# Altium PCB pay-ssm-v4.PcbDoc (part 1 of 2) (continued)
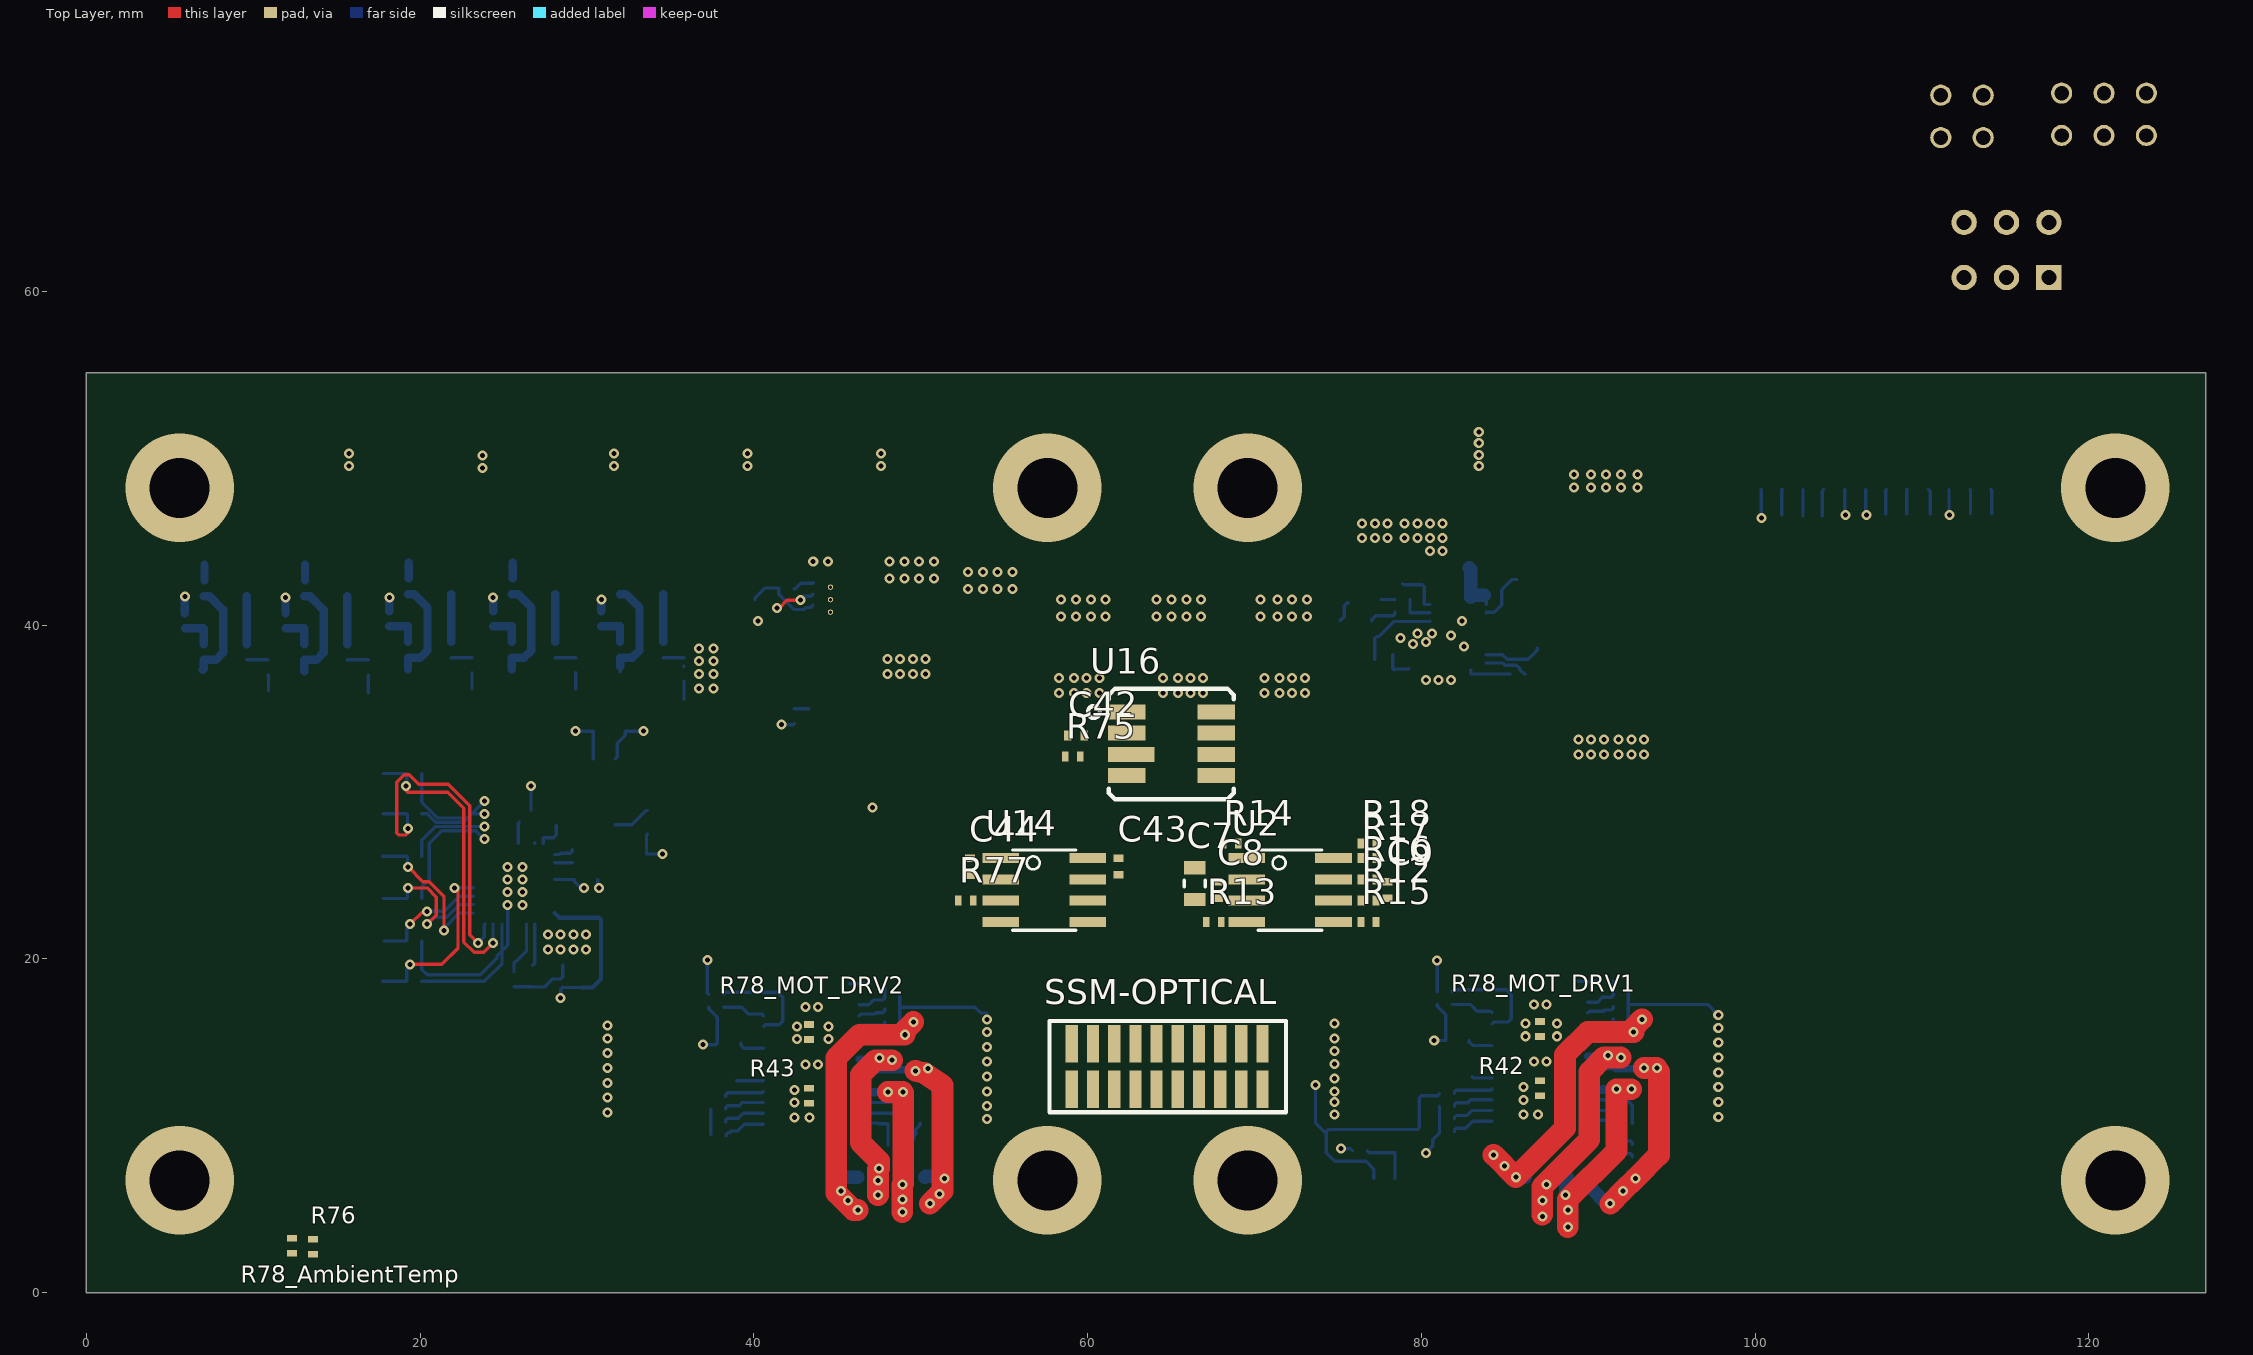
[diagram p0: Top Layer view]
## Components (designator, comment, footprint, x,y, rotation, side; value= is the part's Value field where it differs from the comment)
ADC2 "ADS7952" QFN50P500X500X100-33 25.63,24.507 r90 bottom (schematic designator U5)
BATT2BST "0603" RES0603R 94.996,37.465 r0 bottom value="0 26A" (schematic designator R86)
BATT2HEAT "0603" RES0603R 85.725,53.34 r180 bottom value="0 26A" (schematic designator R7)
BATT2MOT "0603" RES0603R 88.138,49.657 r270 bottom value="0 26A" (schematic designator R3)
BOOST-10V "TPS61088" QFN50P450X350X100-21N 82.203,39.485 r180 bottom (schematic designator BT1)
BOT_SW1 "DF13A-2P-1.25H(21)" DF13A-2P-1.25H(21) 77.778,6.856 r0 bottom (schematic designator J9)
Buck-6V "TPS82140" TPS82140-8microSiP 44.591,41.529 r180 bottom (schematic designator U6)
C1 "0805" CAP0805R 58.928,27.432 r90 bottom value=10uF
C2 "0402" CAP0402R 60.198,27.432 r90 bottom value=0.1uF
C3 "0402" CAP0402R 72.525,25.273 r0 bottom value=0.1uF
C4 "0402" CAP0402R 72.517,26.162 r0 bottom value=0.1uF
C5 "0402" CAP0402R 57.912,19.677 r270 bottom value=22pF
C6 "0402" CAP0402R 65.786,19.431 r90 bottom value=22pF
C7 "0805" CAP0805R 66.421,24.511 r270 top value=10uF
C8 "0402" CAP0402R 67.818,24.13 r270 top value=0.1uF
C9 "0402" CAP0402R 77.978,24.122 r90 top value=47pF
C10 "0402" CAP0402R 29.694,18.792 r270 bottom value=0.1uF
C10_ADC1 "0402" CAP0402R 99.449,28.829 r0 bottom value=0.1uF (schematic designator C10)
C11 "0402" CAP0402R 25.63,20.308 r270 bottom value=220pF
C11_ADC1 "0402" CAP0402R 99.441,33.655 r180 bottom value=220pF (schematic designator C11)
C12 "0805" CAP0805R 31.345,33.651 r180 bottom value=10uF
C12 "0805" CAP0805R 102.489,34.544 r180 bottom value=10uF
C13 "0603" CAP0603R 33.631,28.19 r90 bottom value=1uF
C13_ADC1 "0603" CAP0603R 101.346,27.178 r90 bottom value=1uF (schematic designator C13)
C14 "0805" CAP0805R 32.615,26.285 r180 bottom value="10uF 1-1.5 ESR"
C14_ADC1 "0805" CAP0805R 103.251,27.432 r0 bottom value="10uF 1-1.5 ESR" (schematic designator C14)
C15 "0603" CAP0603R 25.146,28.194 r0 bottom value=1uF
C15_ADS79521 "0603" CAP0603R 104.521,24.638 r270 bottom value=1uF (schematic designator C15)
C16 "0603" CAP0603R 25.146,29.21 r0 bottom value=1uF
C16_ADS79521 "0603" CAP0603R 105.664,24.638 r270 bottom value=1uF (schematic designator C16)
C17 "0603" CAP0603R 29.948,24.761 r180 bottom value=1uF
C17_ADS79521 "0603" CAP0603R 101.092,18.161 r180 bottom value=1uF (schematic designator C17)
C18 "0805" CAP0805R 29.567,22.287 r90 bottom value=10uF
C18_ADS79521 "0805" CAP0805R 105.41,22.733 r0 bottom value=10uF (schematic designator C18)
C19 "0603" CAP0603R 86.245,38.608 r180 bottom value="0.1uF 50V X7R"
C20 "0402" CAP0402R 86.233,36.576 r90 bottom value="0.1uF 10V X7R"
C21 "2220" CAP2220 65.786,40.513 r90 bottom value="22uF 25V X7R"
C22 "1206" CAP1206R 92.456,35.965 r90 bottom value="10uF 50V X5R"
C23 "1206" CAP1206R 90.17,35.965 r90 bottom value="10uF 50V X5R"
C24 "2220" CAP2220 71.882,40.513 r90 bottom value="22uF 25V X7R"
C25 "0603" CAP0603R 82.169,43.434 r0 bottom value="1uF 16V X7R"
C26 "0402" CAP0402R 75.692,41.91 r270 bottom value="820pF 50V X7R"
C27 "0402" CAP0402R 85.344,36.576 r90 bottom value="8.2nF 16V X7R"
C28 "2220" CAP2220 59.817,40.513 r90 bottom value="22uF 25V X7R"
C29 "0402" CAP0402R 77.597,41.91 r270 bottom value="39pF 25V C0G"
C30 "0402" CAP0402R 78.359,36.838 r90 bottom value="0.1uF 10V X7R"
C31 "1206" CAP1206R 44.069,38.735 r180 bottom value="22uF 10V X7S"
C32 "1206" CAP1206R 44.069,36.703 r180 bottom value="22uF 10V X7S"
C33 "1206" CAP1206R 50.292,40.894 r90 bottom value="10uF 35V X7R"
C34 "1206" CAP1206R 48.133,40.894 r90 bottom value="10uF 35V X7R"
C35 "0402" CAP0402R 42.418,42.672 r270 bottom value="220pF 50V X7R"
C36 "0402" CAP0402R 82.55,12.954 r180 bottom value="10000pF 25V"
C36 "0402" CAP0402R 38.481,12.7 r180 bottom value="10000pF 25V"
C37 "1206" CAP1206R 77.454,11.426 r0 bottom value="10uF 25V"
C37 "1206" CAP1206R 33.796,11.262 r0 bottom value="10uF 25V"
C38 "1206" CAP1206R 77.454,13.331 r0 bottom value="10uF 25V"
C38 "1206" CAP1206R 33.796,13.167 r0 bottom value="10uF 25V"
C39 "1206" CAP1206R 77.454,15.236 r0 bottom value="10uF 25V"
C39 "1206" CAP1206R 33.796,15.072 r0 bottom value="10uF 25V"
C40 "0603" CAP0603R 82.169,15.113 r180 bottom value="2.2uF 6.3V X7R"
C40 "0603" CAP0603R 38.511,14.949 r180 bottom value="2.2uF 6.3V X7R"
C41_Port_Expander1 "0402" CAP0402R 51.427,21.101 r0 bottom value=0.1uF (schematic designator C41)
C41_Port_Expander2 "0402" CAP0402R 43.696,29.083 r180 bottom value=0.1uF (schematic designator C41)
C42 "0402" CAP0402R 59.309,33.401 r0 top value="0.1uF 6.3V X7R"
C43 "0402" CAP0402R 61.849,25.535 r90 top value="0.22uF 6.3V X7R"
C44 "0402" CAP0402R 52.959,25.527 r270 top value="0.1uF 6.3V X7R"
C45 "0402" CAP0402R 91.44,46.474 r270 bottom value=0.1uF
C45 "0402" CAP0402R 40.005,34.29 r270 bottom value=0.1uF
C46 "0402" CAP0402R 68.961,15.875 r0 bottom value=0.1uF
D2 "LED0603" LED0603 57.461,14.605 r0 bottom
D3 "LED0603" LED0603 57.461,13.208 r0 bottom
D4 "LED0603" LED0603 57.461,11.684 r0 bottom
D5 "LED0603" LED0603 71.952,11.684 r180 bottom
D6 "LED0603" LED0603 71.952,13.335 r180 bottom
D7 "LED0603" LED0603 71.952,14.732 r180 bottom
EPS-PAY "DF13A-15P-1.25H(21)" DF13A-15P-1.25H(21) 105.37,48.133 r180 bottom (schematic designator J1)
HEATER1 "DF13A-2P-1.25H(21)" DF13A-2P-1.25H(21) 15.059,48.135 r180 bottom (schematic designator J11)
HEATER2 "DF13A-2P-1.25H(21)" DF13A-2P-1.25H(21) 23.06,48.135 r180 bottom (schematic designator J11)
HEATER3 "DF13A-2P-1.25H(21)" DF13A-2P-1.25H(21) 30.915,48.197 r180 bottom (schematic designator J11)
HEATER4 "DF13A-2P-1.25H(21)" DF13A-2P-1.25H(21) 38.989,48.133 r180 bottom (schematic designator J11)
HEATER5 "DF13A-2P-1.25H(21)" DF13A-2P-1.25H(21) 46.99,48.133 r180 bottom (schematic designator J11)
J3 "SLW-103-01-G-D" SLW-103-01-X-D 120.904,70.612 r180 bottom
J4 "SLW-102-01-G-D" SLW-102-01-X-D 112.395,70.485 r180 bottom
J8 "DF13A-2P-1.25H(21)" DF13A-2P-1.25H(21) 29.518,6.856 r0 bottom
J10 "DF13A-2P-1.25H(21)" DF13A-2P-1.25H(21) 38.154,6.794 r0 bottom
J12 "DF13A-6P-1.25H(51)-ND" DF13A-6P-1.25H(51)-ND 113.792,18.796 r90 bottom
J13 "DF13A-6P-1.25H(51)-ND" DF13A-6P-1.25H(51)-ND 113.919,33.528 r90 bottom
J14 "DF13A-6P-1.25H(51)-ND" DF13A-6P-1.25H(51)-ND 11.018,29.541 r270 bottom
J15 "DF13A-6P-1.25H(51)-ND" DF13A-6P-1.25H(51)-ND 10.795,16.129 r270 bottom
L1 "0603" RES0603R 72.771,24.257 r0 bottom value=10uH
L2 "XAL6020-112MEB" XAL6020-112MEB 90.678,41.656 r180 bottom value="1.1uH 20% 12A"
MOTOR1 "DF13A-4P-1.25H(51)" DF13A-4P-1.25H(51) 47.117,4.953 r0 bottom (schematic designator J5)
MOTOR2 "DF13A-4P-1.25H(51)" DF13A-4P-1.25H(51) 86.868,4.953 r0 bottom (schematic designator J6)
MOTOR_DRV1 "DRV8834" SOP65P640X120-25N 43.448,13.675 r180 bottom (schematic designator U7)
MOTOR_DRV2 "DRV8834" SOP65P640X120-25N 87.106,13.839 r180 bottom (schematic designator U7)
nSLEEP "LED0603" LED0603 88.646,18.669 r180 bottom (schematic designator D1)
nSLEEP "LED0603" LED0603 44.988,18.505 r180 bottom (schematic designator D1)
Q1 "N-MOS" SOT95P280X145-6N 8.326,42.672 r180 bottom
Q1 "N-MOS" SOT95P280X145-6N 33.274,42.799 r180 bottom
Q1 "N-MOS" SOT95P280X145-6N 26.797,42.799 r180 bottom
Q1 "N-MOS" SOT95P280X145-6N 20.574,42.799 r180 bottom
Q1 "N-MOS" SOT95P280X145-6N 14.351,42.672 r180 bottom
Q2 "N-MOS" SOT95P280X145-6N 8.326,38.862 r180 bottom
Q2 "N-MOS" SOT95P280X145-6N 33.274,38.989 r180 bottom
Q2 "N-MOS" SOT95P280X145-6N 26.797,38.989 r180 bottom
Q2 "N-MOS" SOT95P280X145-6N 20.574,38.989 r180 bottom
Q2 "N-MOS" SOT95P280X145-6N 14.351,38.862 r180 bottom
R1 "0402" RES0402R 114.173,46.228 r270 bottom value=0
R2 "0402" RES0402R 112.903,46.228 r270 bottom value=0
R4 "0402" RES0402R 110.49,46.228 r270 bottom value=100
R5 "0402" RES0402R 109.093,46.228 r270 bottom value=100
R6 "0402" RES0402R 107.823,46.228 r270 bottom value=100
R8 "0402" RES0402R 104.013,46.101 r270 bottom value=100
R9 "0402" RES0402R 102.87,46.101 r270 bottom value=100
R10 "0402" RES0402R 101.6,46.17 r270 bottom value=100
R11 "0402" RES0402R 72.644,29.083 r270 bottom value=30K
R12 "0402" RES0402R 76.835,23.495 r180 top value=60.4
R13 "0402" RES0402R 67.564,22.225 r180 top value=100
R14 "0402" RES0402R 68.58,26.924 r180 top value=100
R15 "0402" RES0402R 76.835,22.225 r0 top value=100
R16 "0402" RES0402R 76.835,24.765 r180 top value=60.4
R17 "0402" RES0402R 76.835,26.035 r0 top value=0
R18 "0402" RES0402R 76.835,26.924 r180 top value=0
R19 "0402" RES0402R 27.408,28.444 r270 bottom value=100
R19_ADC1 "0402" RES0402R 103.632,18.161 r90 bottom value=100 (schematic designator R19)
R20 "0402" RES0402R 29.567,25.777 r180 bottom value=100
R20_ADC1 "0402" RES0402R 104.775,20.828 r0 bottom value=100 (schematic designator R20)
R21 "0402" RES0402R 25.63,18.784 r90 bottom value=100
R21_ADC1 "0402" RES0402R 99.441,32.766 r180 bottom value=100 (schematic designator R21)
R22 "0402" RES0402R 29.567,26.539 r180 bottom value=100
R22_ADC1 "0402" RES0402R 104.775,20.066 r0 bottom value=100 (schematic designator R22)
R23 "0402" RES0402R 28.17,28.444 r270 bottom value=100
R23_ADC1 "0402" RES0402R 104.775,19.304 r0 bottom value=100 (schematic designator R23)
R24 "0402" RES0402R 26.646,28.444 r90 bottom value=10K
R24_ADS79521 "0402" RES0402R 102.87,18.161 r270 bottom value=10K (schematic designator R24)
R25 "0603" RES0603R 86.245,39.751 r180 bottom value="0 26A"
R26 "0805" RES0805R 85.725,41.783 r270 bottom value="215K 1%"
R27 "0402" RES0402R 78.867,40.767 r0 bottom value=0ohm
R28 "0805" RES0805R 86.614,47.371 r90 bottom value="8m 1% 1/2W"
R29 "0805" RES0805R 78.867,43.434 r270 bottom value="102K 1%"
R30 "0402" RES0402R 77.666,39.116 r0 bottom value="453K 1%"
R31 "0402" RES0402R 78.867,41.529 r0 bottom value=0ohm
R32 "0402" RES0402R 78.74,38.227 r0 bottom value="3K 1%"
R33 "0805" RES0805R 76.073,40.259 r0 bottom value="44.2K 1%"
R34 "0603" RES0603R 77.216,37.211 r90 bottom value="62K 1%"
R35 "0402" RES0402R 79.248,36.957 r90 bottom value="1K 1%"
R36 "0402" RES0402R 78.486,32.639 r0 bottom value="10K Thermistor"
R37 "0805" RES0805R 38.227,40.132 r0 bottom value="0.02 1% 1/2W"
R38 "0402" RES0402R 41.402,40.64 r90 bottom value="100K 1% 1/16W"
R39 "0402" RES0402R 39.624,41.529 r180 bottom value="649K 1%"
R40 "0402" RES0402R 41.402,42.672 r90 bottom value="100K 1% 1/16W"
R41 "0402" RES0402R 43.307,34.544 r270 bottom value="10K NTC"
R42 "0402" RES0402R 87.122,12.25 r90 top value="10K NTC"
R43 "0402" RES0402R 43.307,11.811 r90 top value="10K NTC"
R44 "0402" RES0402R 100.076,7.874 r0 bottom value=10K
R45 "0402" RES0402R 27.305,7.874 r180 bottom value=10K
R46 "0402" RES0402R 76.327,8.509 r180 bottom value=10K
R47 "0402" RES0402R 35.433,7.874 r180 bottom value=10K
R48 "0402" RES0402R 81.534,11.938 r180 bottom value=10K
R48 "0402" RES0402R 37.876,11.774 r180 bottom value=10K
R49 "0402" RES0402R 81.407,18.034 r180 bottom value="1K 1%"
R49 "0402" RES0402R 37.749,17.87 r180 bottom value="1K 1%"
R50 "0402" RES0402R 81.407,17.272 r0 bottom value="200 1%"
R50 "0402" RES0402R 37.749,17.108 r0 bottom value="200 1%"
R51 "0402" RES0402R 81.534,11.176 r180 bottom value=10K
R51 "0402" RES0402R 37.876,11.012 r180 bottom value=10K
R52 "0402" RES0402R 81.534,10.414 r0 bottom value=10K
R52 "0402" RES0402R 37.876,10.25 r0 bottom value=10K
R53 "0402" RES0402R 91.948,17.907 r180 bottom value=10K
R53 "0402" RES0402R 48.29,17.743 r180 bottom value=10K
R54 "0805" RES0805R 95.885,12.319 r180 bottom value="0.2 1% 1/4W"
R54 "0805" RES0805R 52.227,12.155 r180 bottom value="0.2 1% 1/4W"
R55 "0805" RES0805R 95.885,10.795 r180 bottom value="0.2 1% 1/4W"
R55 "0805" RES0805R 52.227,10.631 r180 bottom value="0.2 1% 1/4W"
R56 "0805" RES0805R 95.885,16.129 r180 bottom value="0.2 1% 1/4W"
R56 "0805" RES0805R 52.227,15.965 r180 bottom value="0.2 1% 1/4W"
R57 "0805" RES0805R 95.885,14.605 r180 bottom value="0.2 1% 1/4W"
R57 "0805" RES0805R 52.227,14.441 r180 bottom value="0.2 1% 1/4W"
R58 "0402" RES0402R 93.091,10.16 r180 bottom value=10K
R58 "0402" RES0402R 49.53,10.16 r180 bottom value=10K
R59 "0402" RES0402R 93.091,8.89 r180 bottom value=10K
R59 "0402" RES0402R 49.149,9.398 r180 bottom value=10K
R60 "0402" RES0402R 81.534,9.652 r0 bottom value=10K
R60 "0402" RES0402R 37.904,9.398 r0 bottom value=10K
R61 "0402" RES0402R 93.091,8.128 r180 bottom value=10K
R61 "0402" RES0402R 48.514,8.636 r180 bottom value=10K
R62 "0402" RES0402R 91.948,16.383 r180 bottom value="50K 1%"
R62 "0402" RES0402R 48.29,16.219 r180 bottom value="50K 1%"
R63 "0402" RES0402R 91.948,17.145 r180 bottom value="50K 1%"
R63 "0402" RES0402R 48.29,16.981 r180 bottom value="50K 1%"
R64 "0402" RES0402R 91.059,18.669 r180 bottom value=330
R64 "0402" RES0402R 47.401,18.505 r180 bottom value=330
R65 "0402" RES0402R 5.913,40.259 r90 bottom value=10K
R65 "0402" RES0402R 30.861,40.386 r90 bottom value=10K
R65 "0402" RES0402R 24.384,40.386 r90 bottom value=10K
R65 "0402" RES0402R 18.161,40.386 r90 bottom value=10K
R65 "0402" RES0402R 11.938,40.259 r90 bottom value=10K
R66 "0402" RES0402R 35.814,37.084 r270 bottom value=10K
R66 "0402" RES0402R 29.337,37.592 r270 bottom value=10K
R66 "0402" RES0402R 23.114,37.592 r270 bottom value=10K
R66 "0402" RES0402R 16.891,37.465 r270 bottom value=10K
R66 "0402" RES0402R 10.866,37.465 r270 bottom value=10K
R67_Port_Expander1 "0402" RES0402R 53.078,21.101 r180 bottom value=10K (schematic designator R67)
R67_Port_Expander2 "0402" RES0402R 42.045,29.083 r0 bottom value=10K (schematic designator R67)
R68_Port_Expander1 "0402" RES0402R 55.245,26.797 r180 bottom value=10K (schematic designator R68)
R68_Port_Expander2 "0402" RES0402R 38.361,23.114 r0 bottom value=10K (schematic designator R68)
R69 "0402" RES0402R 36.398,24.892 r270 bottom value=0
R69_Port_Expander1 "0402" RES0402R 57.015,25.292 r90 bottom value=0 (schematic designator R69)
R70 "0402" RES0402R 37.414,24.892 r270 bottom value=0
R70_Port_Expander1 "0402" RES0402R 55.999,25.292 r90 bottom value=0 (schematic designator R70)
R71 "0402" RES0402R 38.43,24.892 r270 bottom value=0
R71_Port_Expander1 "0402" RES0402R 54.983,25.292 r90 bottom value=0 (schematic designator R71)
R72 "0402" RES0402R 36.322,26.416 r270 bottom value=0
R72_Port_Expander1 "0402" RES0402R 57.015,23.768 r90 bottom value=0 (schematic designator R72)
R73 "0402" RES0402R 37.414,26.416 r270 bottom value=0
R73_Port_Expander1 "0402" RES0402R 55.999,23.768 r90 bottom value=0 (schematic designator R73)
R74 "0402" RES0402R 38.43,26.416 r270 bottom value=0
R74_Port_Expander1 "0402" RES0402R 54.983,23.768 r90 bottom value=0 (schematic designator R74)
R75 "0402" RES0402R 59.113,32.131 r180 top value="10K 5%"
R76 "0402" RES0402R 13.589,2.757 r270 top value="10K NTC"
R77 "0402" RES0402R 52.705,23.495 r180 top value="10K 5%"
R78 "0402" RES0402R 19.661,26.158 r180 bottom value="10K 0.1%"
R78 "0402" RES0402R 19.661,18.665 r180 bottom value="10K 0.1%"
R78 "0402" RES0402R 19.661,21.078 r180 bottom value="10K 0.1%"
R78 "0402" RES0402R 19.661,23.618 r180 bottom value="10K 0.1%"
R78 "0402" RES0402R 19.661,31.111 r180 bottom value="10K 0.1%"
R78 "0402" RES0402R 42.418,34.544 r90 bottom value="10K 0.1%"
R78 "0402" RES0402R 78.486,33.528 r180 bottom value="10K 0.1%"
R78_ "0402" RES0402R 19.661,28.698 r180 bottom value="10K 0.1%" (schematic designator R78)
R78_AmbientTemp "0402" RES0402R 12.319,2.815 r90 top value="10K 0.1%" (schematic designator R78)
R78_MF_THM1_6 "0402" RES0402R 106.865,28.575 r0 bottom value="10K 0.1%" (schematic designator R78)
R78_MF_THM1_7 "0402" RES0402R 106.865,29.464 r0 bottom value="10K 0.1%" (schematic designator R78)
R78_MF_THM1_8 "0402" RES0402R 106.934,30.353 r0 bottom value="10K 0.1%" (schematic designator R78)
R78_MF_THM1_9 "0402" RES0402R 106.934,31.369 r0 bottom value="10K 0.1%" (schematic designator R78)
R78_MF_THM1_10 "0402" RES0402R 106.934,32.385 r0 bottom value="10K 0.1%" (schematic designator R78)
R78_MF_THM1_11 "0402" RES0402R 106.934,33.401 r0 bottom value="10K 0.1%" (schematic designator R78)
R78_MOT_DRV1 "0402" RES0402R 87.122,15.806 r270 top value="10K 0.1%" (schematic designator R78)
R78_MOT_DRV2 "0402" RES0402R 43.307,15.621 r270 top value="10K 0.1%" (schematic designator R78)
R79 "0402" RES0402R 68.961,14.986 r0 bottom value=10K
R80 "0402" RES0402R 60.071,14.605 r180 bottom value=330
R81 "0402" RES0402R 60.071,13.208 r180 bottom value=330
R82 "0402" RES0402R 60.071,11.938 r180 bottom value=330
R83 "0402" RES0402R 68.961,11.303 r0 bottom value=330
R84 "0402" RES0402R 68.961,12.7 r180 bottom value=330
R85 "0402" RES0402R 68.961,13.97 r180 bottom value=330
S1 "DPDT" "JS202011AQN - Slide Switch" 115.062,62.484 r90 bottom
S2 "SW-PB" "PTS830GM140 SMTR LFS - Pushbutton" 122.809,60.833 r90 bottom
SSM-OPTICAL "SFMC-110-02-L-D" SFMC-110-02-L-D 64.77,13.551 r180 top (schematic designator J2)
TOP_SW1 "DF13A-2P-1.25H(21)" DF13A-2P-1.25H(21) 98.244,6.794 r0 bottom (schematic designator J7)
U1 "ATMEGA64M1" QFP80P900X900X120-32 66.04,27.051 r180 bottom
U2 "SN65HVD233D" SOIC127P500X600-8N 72.136,24.13 r270 top
U3 "AD8613" SOP65P200X125-5N 26.752,18.314 r0 bottom
U3_ADC1 "AD8613" SOP65P200X125-5N 97.947,31.645 r270 bottom (schematic designator U3)
U4 "REF5025" SOP65P300X125-8N 29.734,32 r270 bottom
U4_ADC1 "REF5025" SOP65P300X125-8N 101.766,33.02 r270 bottom (schematic designator U4)
U5_ADS79521 "ADS7952" QFN50P500X500X100-33 100.838,22.098 r270 bottom (schematic designator U5)
U8_Port_Expander1 "MCP23S17-QFN" QFN65P600X600X100-29 50.579,25.18 r90 bottom (schematic designator U8)
U8_Port_Expander2 "MCP23S17-QFN" QFN65P600X600X100-29 42.834,25.004 r270 bottom (schematic designator U8)
U11 "INA214CQDCKRQ1" "TI-SOT-SC70 (DCK)" 89.535,46.736 r180 bottom
U11 "INA214CQDCKRQ1" "TI-SOT-SC70 (DCK)" 37.973,34.544 r180 bottom
U12 "SN74HC365PW" SOP65P640X120-16N 67.249,15.875 r180 bottom
U14 "HIH7131" SOIC127P500X600-8N 57.404,24.13 r270 top (schematic designator U10)
U16 "MS5803-05BA" MS5803_125P640x620-8N 65.024,32.893 r0 top (schematic designator U9)
Y1 "8MHz Crystal" OSCSC500X320X110-4N 61.849,19.685 r90 bottom

## Footprints (in the part's own frame and the unit in brackets; to place one, negate y for a bottom-side part, rotate by r counter-clockwise, add the part's x,y. Pads: shape width x height; smd on the part's side, far side on the other; paste and mask are expansions set on the pad)
CAP0402R [mm] "Capacitor 0402 reflow soldering"
  rect 0.45x0.6 smd mask+0: 1(-0.5,0) 2(0.5,0)
  body extent -0.5,-0.3 0.5,0.3, height 0.2
CAP0603R [mm] "capacitor 0603 reflow soldering"
  rect 0.6x0.8 smd mask+0: 1(-0.7,0) 2(0.7,0)
  body extent -0.8,-0.4 0.8,0.4, height 0.3
CAP0805R [mm] "capacitor 0805 reflow soldering"
  rect 0.8x1.3 smd mask+0: 1(-0.95,0) 2(0.95,0)
  silkscreen extent -0.2,-0.63 0.2,0.63, body extent -1,-0.63 1,0.63, height 0.78
CAP1206R [mm] "capacitor 1206 reflow soldering"
  rect 1x1.6 smd mask+0: 1(-1.5,0) 2(1.5,0)
  silkscreen extent -0.5,-0.8 0.5,0.8, body extent -1.6,-0.8 1.6,0.8, height 1
CAP2220 [mm] "CAP CER 2220"
  rect 1.88x5.41 smd: 1(-2.738,0) 2(2.738,0)
  silkscreen extent -1.48,-2.7 1.48,2.7, body extent -2.86,-2.79 2.86,2.79, height 2.8
DF13A-2P-1.25H(21) [mm] "2 pos, 1.25mm pitch DF13 connector (H125743CT-ND)"
  rect 0.7x1.8 smd: 1(-0.625,0) 2(0.625,0)
  rect 1.6x2.2 smd: ""(-2.975,3.3) ""(2.975,3.3)
  silkscreen extent -3.58,-0.48 3.58,6.02, body extent -3.58,-0.48 3.57,6.79, height 3.58
DF13A-4P-1.25H(51) [mm] "4 pos, 1.25mm pitch DF13 connector (H125779CT-ND)"
  rect 0.7x1.8 smd: 1(-0.625,-1.956) 2(0.625,-1.956) 3(1.875,-1.956) 4(3.125,-1.956)
  rect 1.6x2.2 smd: ""(-2.975,1.344) ""(5.475,1.344)
  silkscreen extent -3.61,-2.46 6.06,4.04, body extent -3.61,-2.46 6.04,4.75, height 3.58
DF13A-6P-1.25H(51)-ND [mm]
  rect 0.7x1.8 smd: 1(-3.125,-2.825) 2(-1.875,-2.825) 3(-0.625,-2.825) 4(0.625,-2.825) 5(1.875,-2.825) 6(3.125,-2.825)
  rect 1.6x2.2 smd: 7(-5.375,0.485) 8(5.375,0.485)
  silkscreen extent -4.57,-2.17 4.57,2.83, body extent -6.05,-3.63 6.1,2.87, height 3.58
DF13A-15P-1.25H(21) [mm] "15 pos, 1.25mm pitch DF13 connector (H125988CT-ND)"
  rect 0.7x1.8 smd: 1(-8.75,0) 2(-7.5,0) 3(-6.25,0) 4(-5,0) 5(-3.75,0) 6(-2.5,0) 7(-1.25,0) 8(0,0) 9(1.25,0) 10(2.5,0) 11(3.75,0) 12(5,0) 13(6.25,0) 14(7.5,0) 15(8.75,0)
  rect 1.6x2.2 smd: ""(-11.1,3.3) ""(11.1,3.3)
  silkscreen extent -11.86,-0.64 11.63,6.04, body extent -11.7,-0.5 11.7,6.76, height 3.58
"JS202011AQN - Slide Switch" [mil]
  rect 60x60 hole 35: 1(-65,100)
  round 60 hole 35: 2(-65,0) 3(-65,-100) 4(65,100) 5(65,0) 6(65,-100)
  silkscreen extent -150,-180 105,177, body extent -148,-178 128,176, height 139
LED0603 [mm] "0603 LED footprint, thick line on the cathode"
  rect 0.7x0.9 smd: 1(-0.75,0) 2(0.75,0)
  silkscreen extent -1.32,-0.67 1.52,0.67, body extent -0.8,-0.4 0.8,0.4, height 0.71
MS5803_125P640x620-8N [mm] "Footprint for the MS5803 family of pressure sensors"
  rect 2.25x0.9 smd: 1(-2.675,1.9) 2(-2.675,0.65) 4(-2.675,-1.9) 5(2.675,-1.9) 6(2.675,-0.65) 7(2.675,0.65) 8(2.675,1.9)
  rect 2.8x0.9 smd: 3(-2.4,-0.65)
  silkscreen extent -5.01,-3.33 3.73,3.3, body extent -3.17,-3.1 3.23,3.1, height 2.88
OSCSC500X320X110-4N [mm] "ABM3B-8.000MHZ-10-D-1-G-T Abracon 8MHz crystal"
  rect 1.2x1.8 smd: 1(-1.2,2) 2(-1.2,-2) 3(1.2,-2) 4(1.2,2)
  silkscreen extent -2.15,-2.67 1.65,3.15, body extent -1.6,-2.5 1.58,2.5, height 1.1
"PTS830GM140 SMTR LFS - Pushbutton" [mm] "Low profile pushbutton"
  rect 0.7x0.75 smd: 1(-1.6,0.825) 1(1.6,0.825) 2(-1.6,-0.825) 2(1.6,-0.825)
  silkscreen extent -1.92,-1.17 1.92,1.15, body extent -1.75,-1.3 1.75,1.3, height 1.4
QFN50P450X350X100-21N [mm]
  rect 0.26x0.9 smd: 1(-0.75,2.185) 10(-0.75,-2.185) 11(0.75,-2.185) 20(0.75,2.185)
  rect 0.9x0.26 smd: 2(-1.685,1.75) 3(-1.685,1.25) 4(-1.685,0.75) 5(-1.685,0.25) 6(-1.685,-0.25) 7(-1.685,-0.75) 8(-1.685,-1.25) 9(-1.685,-1.75) 12(1.685,-1.75) 13(1.685,-1.25) 14(1.685,-0.75) 15(1.685,-0.25) 16(1.685,0.25) 17(1.685,0.75) 18(1.685,1.25) 19(1.685,1.75)
  rect 2.07x3.07 smd: 21(0,0)
  silkscreen extent -1.75,-2.25 1.75,3.21
QFN50P500X500X100-33 [mm] "QFN + Pitch P + Body With X Body Length X Height - #Pins"
  rect 0.84x0.26 smd: 1(-2.435,1.75) 2(-2.435,1.25) 3(-2.435,0.75) 4(-2.435,0.25) 5(-2.435,-0.25) 6(-2.435,-0.75) 7(-2.435,-1.25) 8(-2.435,-1.75) 17(2.435,-1.75) 18(2.435,-1.25) 19(2.435,-0.75) 20(2.435,-0.25) 21(2.435,0.25) 22(2.435,0.75) 23(2.435,1.25) 24(2.435,1.75)
  rect 0.26x0.84 smd: 9(-1.75,-2.435) 10(-1.25,-2.435) 11(-0.75,-2.435) 12(-0.25,-2.435) 13(0.25,-2.435) 14(0.75,-2.435) 15(1.25,-2.435) 16(1.75,-2.435) 25(1.75,2.435) 26(1.25,2.435) 27(0.75,2.435) 28(0.25,2.435) 29(-0.25,2.435) 30(-0.75,2.435) 31(-1.25,2.435) 32(-1.75,2.435)
  rect 3.6x3.6 smd: 33(0,0)
  silkscreen extent -3.47,-2.5 2.5,2.5, body extent -2.55,-2.55 2.55,2.55, height 0.78
QFN65P600X600X100-29 [mm] "QFN + Pitch P + Body With X Body Length X Height - #Pins"
  rect 1.04x0.33 smd: 1(-2.835,1.95) 2(-2.835,1.3) 3(-2.835,0.65) 4(-2.835,0) 5(-2.835,-0.65) 6(-2.835,-1.3) 7(-2.835,-1.95) 15(2.835,-1.95) 16(2.835,-1.3) 17(2.835,-0.65) 18(2.835,0) 19(2.835,0.65) 20(2.835,1.3) 21(2.835,1.95)
  rect 0.33x1.04 smd: 8(-1.95,-2.835) 9(-1.3,-2.835) 10(-0.65,-2.835) 11(0,-2.835) 12(0.65,-2.835) 13(1.3,-2.835) 14(1.95,-2.835) 22(1.95,2.835) 23(1.3,2.835) 24(0.65,2.835) 25(0,2.835) 26(-0.65,2.835) 27(-1.3,2.835) 28(-1.95,2.835)
  rect 3.7x3.7 smd: 29(0,0)
  silkscreen extent -4.24,-3 3,3, body extent -3.05,-3.05 3.05,3.05, height 1
QFP80P900X900X120-32 [mm] "QFN + Pitch P + Body With X Body Length X Height - #Pins"
  rect 1.5x0.55 smd: 1(-4.3,2.8) 2(-4.3,2) 3(-4.3,1.2) 4(-4.3,0.4) 5(-4.3,-0.4) 6(-4.3,-1.2) 7(-4.3,-2) 8(-4.3,-2.8) 17(4.3,-2.8) 18(4.3,-2) 19(4.3,-1.2) 20(4.3,-0.4) 21(4.3,0.4) 22(4.3,1.2) 23(4.3,2) 24(4.3,2.8)
  rect 0.55x1.5 smd: 9(-2.8,-4.3) 10(-2,-4.3) 11(-1.2,-4.3) 12(-0.4,-4.3) 13(0.4,-4.3) 14(1.2,-4.3) 15(2,-4.3) 16(2.8,-4.3) 25(2.8,4.3) 26(2,4.3) 27(1.2,4.3) 28(0.4,4.3) 29(-0.4,4.3) 30(-1.2,4.3) 31(-2,4.3) 32(-2.8,4.3)
  silkscreen extent -3.4,-3.4 3.4,3.4, body extent -4.62,-4.62 4.63,4.63, height 1.2
RES0402R [mm] "resistor 0402 reflow soldering"
  rect 0.4x0.6 smd mask+0: 1(-0.45,0) 2(0.45,0)
  body extent -0.5,-0.25 0.5,0.25, height 0.3
RES0603R [mm] "resistor 0603 reflow soldering"
  rect 0.5x0.9 smd mask+0: 1(-0.75,0) 2(0.75,0)
  silkscreen extent -0.2,-0.5 0.2,0.5, body extent -0.8,-0.4 0.8,0.4, height 0.45